# Altium PCB PCB1.PcbDoc (part 3 of 3)
Units mil, origin at the board's own origin, x right, y up, seen from the top; angles counter-clockwise.
Board outline 1847 x 2681.4 mil, 2 copper layers (Top Layer, Bottom Layer); 166 components, 117 nets, 677 pads, 840 vias.
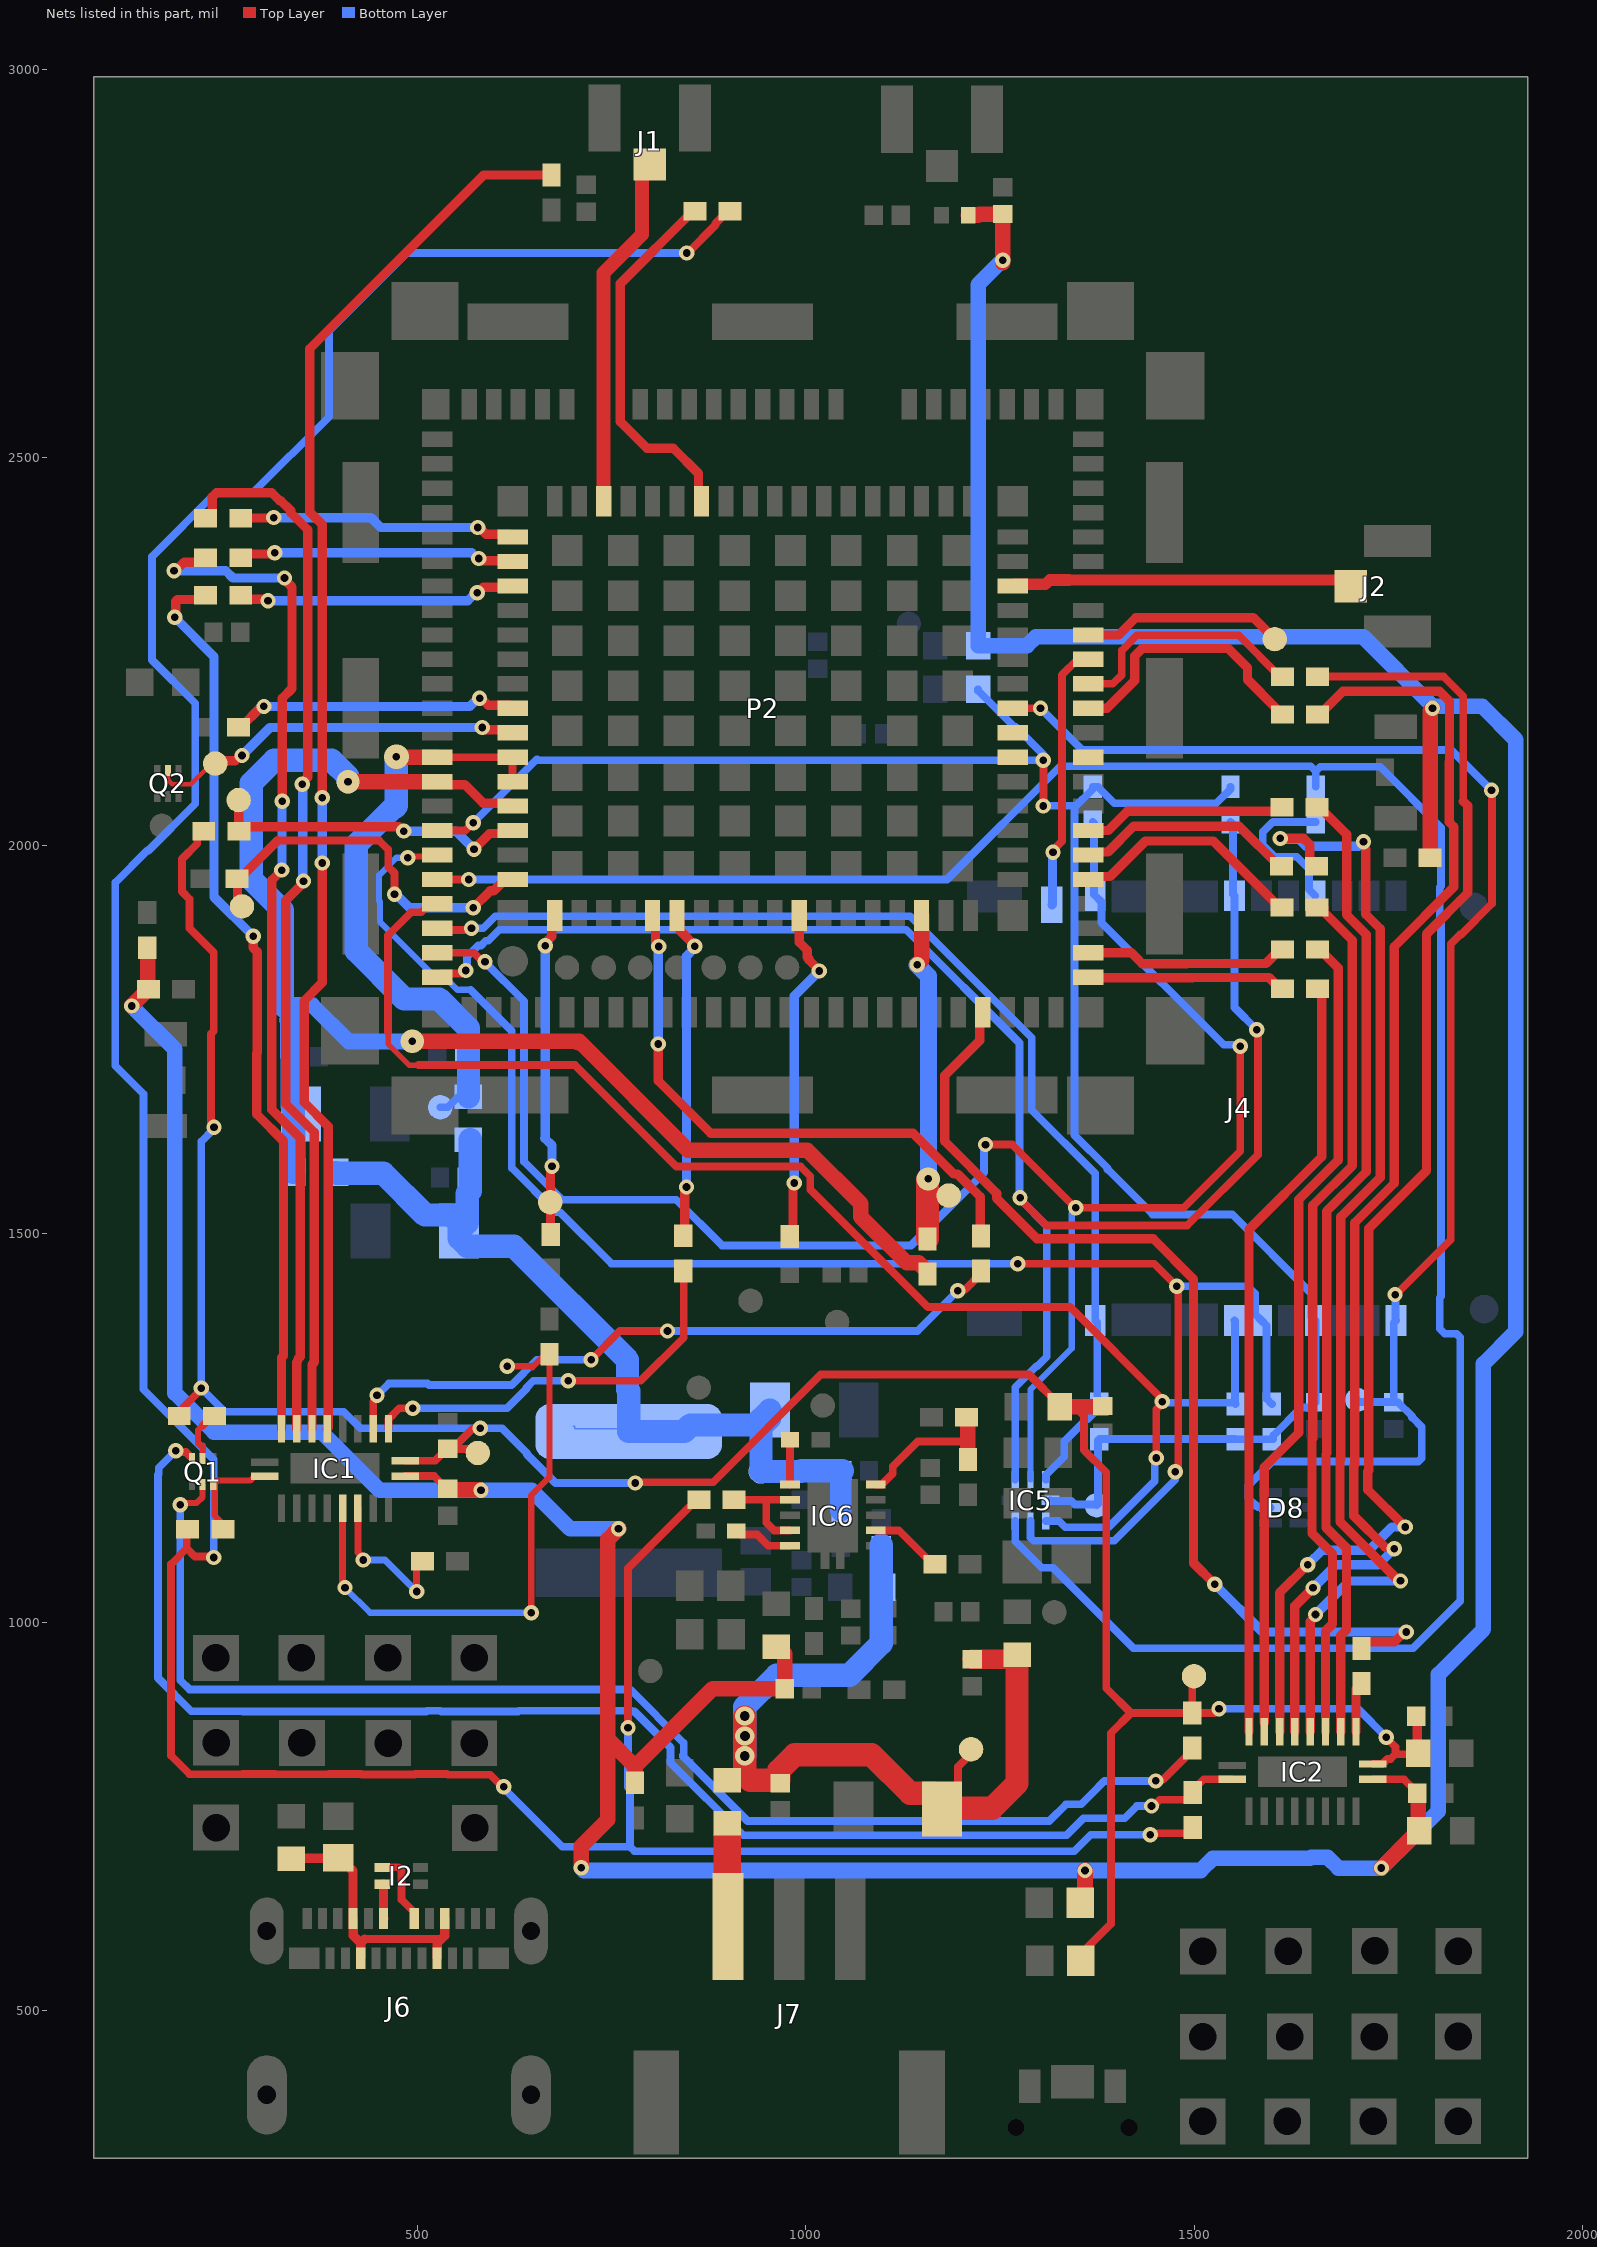
[diagram p3: the nets of this part, all layers, seen from the top]

## Via types
v1: diameter 19.68, hole 11.81, Top Layer to Bottom Layer, tented both sides, 638 vias
v2: diameter 19.68, hole 9.84, Top Layer to Bottom Layer, 195 vias
v3: diameter 30, hole 9.84, Top Layer to Bottom Layer, 3 vias
v4: diameter 25, hole 12.5, Top Layer to Bottom Layer, 3 vias
v5: diameter 32, hole 9.84, Top Layer to Bottom Layer, 1 vias

## Nets (pads, with @x,y where several pads share a name; then routed paths per layer and width w, separated by ;. In a path a pad name is that pad's centre, name@x,y a point inside that pad or via, vN(x,y) a via of type N, cw(c..) or ccw(c..) an arc to the next point about the centre after c; other vN are vias at no path point) (continued)
NetIC1_2: IC1.2 R1.1 | length 523.4
  Top Layer w10: IC1.2@462.23,1249.03 462.23,1261.48 476.1,1275.35 493.75,1275.35 493.69,1275.4 v2(493.6,1275.4) ; v2(693.8,1310.8) 786.88,1310.8 842.44,1366.37 842.44,1451.88 R1.1@842,1452.32
  Bottom Layer w10: v2(493.6,1275.4) 614.89,1275.4 640.02,1300.53 640.02,1301.94 648.87,1310.8 v2(693.8,1310.8)
NetIC1_3: IC1.3 R8.1 | length 892.6
  Top Layer w10: IC1.3@442.54,1249.03 442.54,1284.52 447.4,1289.38 v2(447.4,1292) ; v2(723.2,1337.8) 760.4,1375 v2(821.6,1375) ; v2(1195.4,1426.6) 1197.25,1428.45 1204.97,1428.45 1225.51,1449 R8.1@1225.51,1451.95
  Bottom Layer w10: v2(447.4,1292) 462.56,1307.16 512.57,1307.16 514.37,1305.36 620.8,1305.36 653.25,1337.8 v2(723.2,1337.8) ; v2(821.6,1375) 1143.8,1375 v2(1195.4,1426.6)
NetIC1_6: IC1.6 R19.1 | length 1824.8
  Top Layer w12: v2(377.04,1977.8) 377.04,1823.71 353.6,1800.27 353.6,1669.44 384.64,1638.4 384.64,1250.19 IC1.6@383.49,1249.03 ; v2(377.04,2061.6) 377.04,2413.67 361,2429.72 361,2640.09 584.86,2863.95 R19.1@672.31,2863.95
  Bottom Layer w12: v2(377.04,1977.8) v2(377.04,2061.6)
NetIC1_7: IC1.7 R22.1 | length 1367.1
  Top Layer w12: R22.1@226.67,2421.75 229.63,2421.75 235.44,2427.56 235.44,2449.44 240.75,2454.75 311.92,2454.75 322.23,2444.44 323.65,2444.44 336.44,2431.65 336.44,2428.82 358.29,2406.98 358.29,2088.36 351.2,2081.28 v2(351.2,2079.2) ; v2(352.8,1954.4) 352.8,1952.32 329.8,1929.32 329.8,1667.79 366.64,1630.94 366.64,1334.47 363.8,1331.62 IC1.7@363.8,1249.03
  Bottom Layer w12: v2(351.2,2079.2) 352,2078.4 352,1955.2 v2(352.8,1954.4)
NetIC1_8: IC1.8 R24.1 | length 1321.7
  Top Layer w12: v2(186,2354.2) 188.08,2354.2 199.02,2365.14 220.86,2365.14 R24.1@226.67,2370.95 ; v2(324.8,1968.6) 311.8,1955.6 311.8,1660.33 348.64,1623.49 348.64,1341.93 345.8,1339.08 345.8,1337.67 345.12,1336.99 345.12,1335.57 344.12,1334.57 IC1.8@344.12,1249.03 ; v2(325.36,2057.24) 325.36,2189.86 338.04,2202.54 338.04,2333.08 328.4,2342.72 v2(328.4,2344.8)
  Bottom Layer w12: v2(186,2354.2) 252.5,2354.2 261.9,2344.8 v2(328.4,2344.8) ; v2(324.8,1968.6) 325.08,1968.88 325.08,2056.96 v2(325.36,2057.24)
NetIC1_9: IC1.9 R26.1 | length 1167.8
  Top Layer w12: v2(186.8,2294.2) 188.27,2295.67 188.27,2314.86 190.57,2317.16 221.28,2317.16 R26.1@226.67,2322.55 ; v2(288.2,1883.2) 288.2,1868.37 293.24,1863.33 293.24,1733.33 292.64,1732.73 292.64,1654.03 327.12,1619.56 327.12,1343.03 324.43,1340.34 IC1.9@324.43,1249.03
  Bottom Layer w12: v2(186.8,2294.2) 237.5,2243.5 237.5,1933.9 v2(288.2,1883.2)
NetIC1_11: IC1.11 Q1.6 R3.1 | length 121.9
  Top Layer w8: Q1.6@236.74,1177.14 241.81,1182.21 283.98,1182.21 289.06,1187.29 302.05,1187.29 IC1.11@302.78,1188.01 ; Q1.6@238.6,1175.27 238.6,1136.83 R3.1@247.75,1127.68
NetIC1_16: IC1.16 R12.2 | length 761.6
  Top Layer w8: v2(615.2,1329.6) 645.91,1329.6 647.51,1328 664.43,1344.92 R12.2@669.6,1344.92 669.6,1186.51 646.2,1163.11 v2(646.2,1012)
  Top Layer w9: IC1.16@403.17,1146.68 403.17,1050.32 406.2,1047.29 v2(406.2,1044.4)
  Bottom Layer w8: v2(406.2,1044.4) 438.6,1012 v2(646.2,1012)
NetIC1_17: IC1.17 R17.2 | length 197
  Top Layer w9: IC1.17@422.86,1146.68 422.86,1089.83 429.8,1082.89 v2(429.8,1080) ; v2(498.6,1039.4) 498.6,1070.89 505.91,1078.2 R17.2@505.96,1078.2
  Bottom Layer w9: v2(429.8,1080) 458,1080 v2(498.6,1039.4)
NetIC2_2: IC2.2 R2.1 | length 66.1
  Top Layer w10: R2.1@1707.8,913.72 R2.1@1708.5,913.02
  Top Layer w12: IC2.2@1708.5,858.58 1708.5,910.71 1715.6,917.81 R2.1@1715.6,920.76
NetIC2_3: IC2.3 R9.1 | length 1243.8
  Top Layer w12: R9.1@1666.8,2044.19 1696.36,2014.63 1696.36,1910.93 1721.64,1885.64 1721.64,1580.13 1670.85,1529.34 1670.85,1217.41 1669.76,1216.32 1669.76,1121.78 1696.16,1095.38 1696.16,990.15 1688.81,982.79 IC2.3@1688.81,858.58
NetIC2_4: IC2.4 R10.1 | length 1113.2
  Top Layer w12: R10.1@1666.84,1920.4 1666.84,1914.99 1703.64,1878.19 1703.64,1587.59 1652.85,1536.79 1652.85,1236.48 1651.76,1235.39 1651.76,1114.33 1678.16,1087.92 1678.16,997.6 1669.13,988.57 IC2.4@1669.13,858.58
NetIC2_5: IC2.5 R13.1 | length 1477.2
  Top Layer w12: v2(1611,2009.4) 1640.98,2009.4 1648.91,2001.47 1648.91,1979.21 1654.72,1973.4 R13.1@1657.68,1973.4 ; IC2.5@1649.44,858.58 1649.44,1000.76 1656.32,1007.64 v2(1656.32,1009.72) ; 1721.02,1995 1721.02,1911.72 1739.64,1893.1 1739.64,1572.67 1688.85,1521.88 1688.85,1209.96 1687.76,1208.87 1687.76,1129.24 1764,1053 v2(1765.8,1053)
  Bottom Layer w12: v2(1611,2009.4) 1611,2009.22 1609.71,2007.93 1635.22,2007.93 1643.95,1999.2 1712.2,1999.2 v2(1718.2,2005.2) ; v2(1656.32,1009.72) 1699.6,1053 v2(1765.8,1053)
NetIC2_6: IC2.6 R20.1 | length 1671.1
  Top Layer w12: IC2.6@1629.76,858.58 1629.76,1020.76 v2(1653,1044) ; R20.1@1658.88,2169 1661.83,2169 1691.83,2199 1816.11,2199 1829,2186.11 1829,2108.49 1828.64,2108.13 1828.64,2030.45 1834.52,2024.57 1834.52,1946.89 1757.64,1870.01 1757.64,1565.22 1706.85,1514.43 1706.85,1202.5 1705.76,1201.41 1705.76,1136.7 1746.15,1096.3
  Bottom Layer w12: v2(1653,1044) 1682.8,1073.8 1737.2,1073.8 v2(1757.8,1094.4)
NetIC2_7: IC2.7 R23.1 | length 1719.3
  Top Layer w10: R23.1@1660.68,2216 1662.48,2217.8 1821.35,2217.8 1846.64,2192.51 1846.64,2057.27
  Top Layer w12: IC2.7@1610.07,858.58 1610.07,1037.67 v2(1646.2,1073.8) ; R23.1@1658.88,2217.8 R23.1@1660.68,2216 ; v2(1771.8,1122.4) 1723.76,1170.44 1723.76,1193.96 1724.85,1195.05 1724.85,1506.97 1799.36,1581.48 1799.36,1886.27 1852.52,1939.44 1852.52,2051.39 1846.64,2057.27
  Bottom Layer w12: v2@1647.72,1075.32 1665,1092.6 1725.11,1092.6 1754.91,1122.4 v2(1771.8,1122.4)
NetIC2_8: IC2.8 R25.1 | length 1043.1
  Top Layer w12: IC2.8@1590.39,870.3 1590.39,1199.48 1634.85,1243.94 1634.85,1544.25 1685.64,1595.04 1685.64,1842.54 1667.24,1860.94 R25.1@1667.24,1866.35
NetIC2_9: IC2.9 R27.1 | length 998.5
  Top Layer w12: IC2.9@1570.7,858.58 1570.7,1505.56 1664.44,1599.3 1664.44,1810.38 R27.1@1658.88,1815.95
NetIC2_11: IC2.11 Q1.3 R4.1 | length 1838.7
  Top Layer w10: v2(188.4,1220.8) 190.25,1218.95 201.5,1218.95 Q1.3@207.96,1212.49 ; v2(1445.07,763) 1447.69,763 1455.78,771.09 1491.59,771.09 1498.4,777.9 R4.1@1498.4,780.64 1498.4,783.59 1512.37,797.56 IC2.11@1549.05,797.56
  Bottom Layer w10: v2(188.4,1220.8) 166.36,1198.76 166.36,1190.63 165.36,1189.63 165.36,928.04 208.27,885.13 274.28,885.13 274.54,884.88 316.66,884.88 316.72,884.93 384.88,884.93 384.94,884.88 510.82,884.88 511.82,885.88 529.09,885.88 530.09,884.88 628.93,884.88 629.93,885.88 775.37,885.88 776.6,884.64 777.08,884.64 ; 777.79,884.88 779.2,884.88 825.56,838.52 825.56,818.95 919.11,725.4 1335.61,725.4 1357.41,747.2 1410.4,747.2 1426.2,763 v2(1445.07,763)
NetIC5_1: IC5.1 J4.T7 P2.166 R39.1 | length 2243.2
  Top Layer w10: P2.166@524.88,1830.56 529.72,1835.4 555.18,1835.4 558.98,1839.2 v2(561.6,1839.2) ; v2(1275.8,1546.4) 1275.8,1544.6 1309.46,1510.94 1491.22,1510.94 1582.26,1601.98 1582.26,1761.34 v2(1580.8,1762.8)
  Bottom Layer w10: v2(561.6,1839.2) 563.45,1841.05 563.45,1856.93 577.96,1871.44 581.58,1871.44 587.73,1877.59 588.13,1877.59 590.83,1877.6 605.07,1891.84 1129.07,1891.84 1274.96,1745.96 1274.96,1547.24 v2(1275.8,1546.4) 1275.8,1544.6 1310.24,1510.16 1310.24,1341.77 1298.03,1329.56 1296.62,1329.56 1269.65,1302.59 IC5.1@1269.65,1183.45 ; R39.1@1546.74,2030.61 1550.05,2027.3 1550.05,1937.66 J4.T7@1552.05,1935.66 1552.05,1791.55 v2(1580.8,1762.8)
NetIC5_2: IC5.2 J4.T8 P2.165 R40.1 | length 2343.9
  Top Layer w10: P2.165@524.88,1862.06 571.92,1862.06 v2@587.28,1846.69 ; v2@589.79,1849.2 v2@587.28,1846.7 ; v2(1231.2,1615) 1265.73,1615 1346.93,1533.8 v2(1347.6,1533.8) 1486.6,1533.8 1559.4,1606.6 v2(1559.4,1741.8) ; v2@586.59,1847.39 v2(586.59,1850.6) v2@586.59,1847.39 ; v2@586.59,1847.39 v2@587.28,1846.69 ; v2@586.59,1847.39 v2@587.28,1846.7
  Bottom Layer w8: IC5.2@1289.34,1183.45 1289.34,1299.65 1342.2,1352.51 v2@1342.2,1526.4
  Bottom Layer w10: v2(586.59,1850.6) 586.59,1850.01 636.93,1799.67 636.93,1593.02 684.6,1545.35 684.6,1543.94 833,1543.94 891.98,1484.96 1135.36,1484.96 1229.35,1578.95 1229.35,1613.15 v2(1231.2,1615) ; R40.1@1369.34,2030.61 1370.93,2029.02 1370.93,1937.25 J4.T8@1372.52,1935.66 1380.74,1927.44 1380.74,1900.97 1538.06,1743.65 1557.55,1743.65 v2(1559.4,1741.8)
NetIC5_3: IC5.3 J4.T1 P2.164 R37.1 | length 1477.4
  Top Layer w10: P2.164@524.88,1893.55 527.06,1891.37 571.03,1891.37 569.2,1893.2 v2(569.2,1893.6)
  Bottom Layer w10: v2(569.2,1893.6) 584.2,1893.6 599.69,1909.09 1134.45,1909.09 1290.96,1752.58 1290.96,1659.43 1372.52,1577.87 J4.T1@1372.52,1388.42 1375.13,1385.81 1375.13,1283.33 R37.1@1377.74,1280.72 1370.93,1273.91 1370.93,1269.39 1362.75,1261.21 1361.37,1261.21 1332.8,1232.64 1332.8,1212.97 1309.03,1189.2 IC5.3@1309.03,1183.45
NetIC5_5: IC5.5 J4.T2 P2.163 R38.1 | length 1893.5
  Top Layer w7: 461.8,1760 461.8,1744.55 488.98,1717.37 501.07,1717.37
  Top Layer w10: 461.8,1760 461.8,1884.8 491.4,1914.4 504.38,1914.4 515.03,1925.05 P2.163@524.88,1925.05 ; 501.07,1717.37 702.43,1717.37 833.16,1586.64 993.24,1586.64 1005.64,1574.23 1005.64,1557.15 1157.04,1405.76 1340.19,1405.76 1458.8,1287.14 v2(1458.8,1284) ; v2(1451.2,1211.4) 1451.2,1273.78 1457.82,1280.4 v2@1458.21,1280.4
  Bottom Layer w10: IC5.5@1309.03,1130.32 1325.62,1130.32 1333.94,1122 1389.6,1122 1449.35,1181.75 1449.35,1209.55 v2(1451.2,1211.4) ; v2(1458.8,1284) 1459.8,1284 1461.44,1282.36 1551.7,1282.36 R38.1@1552.05,1282.01 ; J4.T2@1552.05,1388.42 1552.69,1387.77 1552.69,1282.66 R38.1@1552.05,1282.01 ; R38.1@1553.34,1280.72 R38.1@1552.05,1282.01
NetIC5_6: IC5.6 J4.T3 P2.161 R36.1 | length 2220.5
  Top Layer w8: v2(487,1984.4) 488.82,1986.22 523.06,1986.22 P2.161@524.88,1988.04
  Top Layer w10: v2(1272.8,1461.4) 1448.6,1461.4 v2(1477.4,1432.6) 1477.4,1429.98 1479.64,1427.74 1479.64,1197.64 v2(1475.8,1193.8)
  Bottom Layer w8: v2(487,1984.4) 472.4,1984.4 450.16,1962.16 450.16,1929.18 451.16,1928.18 451.16,1902.24 525.8,1827.6 537.76,1827.6 551,1814.36 567.96,1814.36
  Bottom Layer w10: 567.96,1814.36 620.93,1761.39 620.93,1584.98 677.98,1527.94 683.14,1527.94 749.68,1461.4 v2(1272.8,1461.4) ; IC5.6@1289.34,1130.32 1289.34,1108.66 1293.39,1104.61 1397.21,1104.61 1475.8,1183.2 v2(1475.8,1193.8) ; v2(1477.4,1432.6) 1568.97,1432.6 1578.47,1423.1 1578.47,1396.64 J4.T3@1586.69,1388.42 1593.34,1381.77 1593.34,1287.52 R36.1@1600.14,1280.72
NetIC5_7: IC5.7 P2.162 R41.2 | length 3110.6
  Top Layer w10: P2.162@524.88,1956.54 v2(565.74,1956.54)
  Bottom Layer w10: v2(565.74,1956.54) 1181.62,1956.54 1327.48,2102.4 1650.27,2102.4 1656.74,2095.94 ; IC5.7@1269.65,1130.32 1269.65,1104.17 1303.8,1070.02 1318.22,1070.02 1421.88,966.36 1781.83,966.36 1842.64,1027.17 1842.64,1366.56 1837.89,1371.31 1822.69,1371.31 1816.25,1377.76 1816.25,1417.83 1818,1419.58 1818,1904.49 1816.25,1906.25 1816.25,1946.32 1818,1948.07 1818,2023.23 1739.63,2101.6 1662.4,2101.6 1656.74,2095.94 ; R41.2@1656.74,2075.88 1656.74,2095.94
NetIC6_2: IC6.2 R44.2 | length 94.4
  Top Layer w10: IC6.2@1089.84,1118.11 1119.49,1118.11 1163.21,1074.4 R44.2@1166.16,1074.4
NetIC6_5: IC6.5 R42.2 R43.2 | length 202.2
  Top Layer w10: IC6.5@1089.84,1177.17 IC6.5@1097.55,1177.17 ; IC6.5@1097.63,1177.25 1111.76,1191.37 1111.76,1200.43 1143.92,1232.6 1208.6,1232.6
  Top Layer w20: R43.2@1206.84,1263.8 1208.6,1262.04 1208.6,1232.6 R42.2@1208.6,1209.24
NetIC6_6: IC6.6 L6.2 | length 57.8
  Top Layer w10: L6.2@979.45,1234.88 979.53,1234.81 979.53,1177.24 IC6.6@979.6,1177.17
NetIC6_7: IC6.7 IC6.9 R45.1 | length 136.6
  Top Layer w10: R45.1@907.27,1157.43 948.8,1157.43 ; IC6.9@979.6,1118.11 958.89,1118.11 948.8,1128.2 948.8,1157.43 ; IC6.7@979.6,1157.43 948.8,1157.43
NetIC6_10: IC6.10 L3.1 | length 77.1
  Top Layer w10: L3.1@910.28,1117.2 914.7,1112.79 937.1,1112.79 951.45,1098.43 IC6.10@979.6,1098.43
NetJ1_3: J1.3 P2.49 | length 465.6
  Top Layer w18: P2.49@739.44,2443.95 739.44,2737.84 788.8,2787.2 788.8,2874.96 J1.3@798.8,2884.96
NetJ2_3: J2.3 P2.31 | length 442.1
  Top Layer w14: 1338.51,2342.22 J2.3@1693.74,2342.22
  Top Layer w15: P2.31@1266.22,2334.5 1268.56,2336.84 1308.4,2336.84 1313.78,2342.22 1338.51,2342.22 ; J2.3@1693.74,2342.22 J2.3@1701.76,2334.2
NetJ4_S/W: J4.S/W P2.109 | length 343.4
  Top Layer w10: v2(1318.2,1991.4) 1318.2,1994.02 1329.84,2005.66 1329.84,2219.98 1349.87,2240.01 P2.109@1363.46,2240.01
  Bottom Layer w12: J4.S/W@1316.81,1923.85 1317.51,1924.54 1317.51,1990.71 v2(1318.2,1991.4)
NetJ4_T5: J4.T5 R41.1 | length 200.4
  Bottom Layer w10: J4.T5@1655.99,1935.66 1647.76,1943.88 1647.76,1970.34 1632.26,1985.85 1603.73,1985.85 1588.4,2001.18 1588.4,2017.62 1601.39,2030.61 R41.1@1656.74,2030.61
NetJ7_1: J7.1 L10.1 | length 124.1
  Top Layer w30: L10.1@898.97,739.01 L10.1@901,741.04
  Top Layer w35: 898.6,723.6 898.6,602.9 J7.1@898.97,602.53
NetP2_1: P2.1 R15.1 TP13.1 | length 421.9
  Top Layer w12: v2(664.01,1871) 664.01,1873.67 663.6,1874.08 672.61,1883.09 672.61,1906.25 P2.1@676.45,1910.09 ; R15.1@671.31,1498.99 670.91,1499.39 670.91,1540.35 TP13.1@670.51,1540.75 670.86,1541.09 670.86,1585.06 v2(672.8,1587)
  Bottom Layer w12: v2(664.01,1871) 664.01,1623.74 663.6,1623.32 672.8,1614.12 v2(672.8,1587)
NetP2_5: P2.5 R8.2 | length 744.1
  Top Layer w12: P2.5@802.44,1910.09 806.28,1906.25 806.28,1874.4 810.2,1870.48 v2(810.2,1870.2) ; v2(809.6,1744.6) 809.6,1697.4 877.36,1629.64 1137.96,1629.64 1190.45,1577.15 1195.29,1577.15 1224.51,1547.93 1224.51,1498.23 R8.2@1225.51,1497.23
  Bottom Layer w12: v2@810.2,1744.6 809.9,1744.9 809.9,1869.9 v2(810.2,1870.2)
NetP2_6: P2.6 R1.2 | length 428.8
  Top Layer w12: P2.6@833.93,1910.09 837.67,1906.35 837.67,1890.75 856.86,1871.55 v2(856.86,1870.56) ; R1.2@842,1497.6 843.93,1499.53 843.93,1558.13 v2(846.2,1560.4)
  Bottom Layer w12: v2(846.2,1560.4) 846.2,1856.22 845.4,1857.02 856.86,1868.48 v2(856.86,1870.56)
NetP2_11: P2.11 R21.2 | length 439.8
  Top Layer w12: R21.2@979.11,1496.63 983.33,1500.84 983.33,1564.13 v2(984.8,1565.6) ; P2.11@991.41,1910.09 991.41,1875.59 1001.8,1865.2 1001.8,1856.27 1003.41,1854.65 1003.41,1853.24 1017,1839.65 v2(1017,1838.6)
  Bottom Layer w12: v2(984.8,1565.6) 984.8,1806.4 v2(1017,1838.6)
NetP2_16: P2.16 R16.2 TP16.1 | length 467.8
  Top Layer w20: v2(1143.2,1846.6) 1148.89,1852.29 P2.16@1148.89,1910.09 ; v3@1156.6,1569.8 v3(1157.6,1570.8) 1159.51,1568.89 1159.51,1556.09 1166.2,1549.4 TP16.1@1183.8,1549.4
  Top Layer w30: R16.2@1156.6,1493.6 v3@1156.6,1569.8
  Bottom Layer w22: v2(1143.2,1846.6) 1157.6,1832.2 v3(1157.6,1570.8)
NetP2_24: P2.24
NetP2_25: P2.25
NetP2_45: P2.45 R11.2 | length 468
  Top Layer w12: R11.2@856.96,2817.2 854.01,2817.2 760.97,2724.16 760.97,2546.23 795.19,2512.01 829.09,2512.01 861.59,2479.51 861.59,2457.63 P2.45@865.43,2453.79
NetP2_52: P2.52 R22.2 | length 360.9
  Top Layer w12: R22.2@271.95,2421.75 272.37,2422.17 314.17,2422.17 v2(314.6,2422.6) ; v2(577.4,2409.8) 579.48,2409.8 587.95,2401.33 618.28,2401.33 P2.52@622.12,2397.49
  Bottom Layer w12: v2(314.6,2422.6) 439.6,2422.6 452.4,2409.8 v2(577.4,2409.8)
NetP2_53: P2.53 R24.2 | length 357.9
  Top Layer w12: R24.2@271.95,2370.95 276.73,2375.73 314.13,2375.73 v2(315.6,2377.2) ; v2(578.6,2370) 578.6,2369.13 580.68,2367.06 621.06,2367.06 P2.53@622.12,2365.99
  Bottom Layer w12: v2(315.6,2377.2) 569.32,2377.2 576.52,2370 v2(578.6,2370)
NetP2_54: P2.54 R26.2 | length 360.9
  Top Layer w12: R26.2@271.95,2322.55 277.21,2317.29 305.31,2317.29 v2(307,2315.6) ; v2(576.6,2325.8) 577.38,2325.8 584.44,2332.86 620.48,2332.86 P2.54@622.12,2334.5
  Bottom Layer w12: v2(307,2315.6) 564.32,2315.6 574.52,2325.8 v2(576.6,2325.8)
NetP2_59: P2.59 R7.1 | length 374
  Top Layer w12: R7.1@269,2152.6 271.95,2152.6 297.28,2177.93 300.33,2177.93 v2(301.8,2179.4) ; v2(579.6,2190) 581.68,2190 590.82,2180.86 618.28,2180.86 P2.59@622.12,2177.02
  Bottom Layer w12: v2(301.8,2179.4) 566.92,2179.4 577.52,2190 v2(579.6,2190)
NetP2_60: P2.60 Q2.5 TP23.1 | length 491.9
  Top Layer w6: Q2.5@178.2,2096.86 178.2,2093.91 178.2,2084.8 183.71,2079.29 207.79,2079.29 TP23.1@234.3,2105.8
  Top Layer w7: Q2.5@178.2,2093.91 Q2.5@178.64,2093.47 ; TP23.1@234.3,2105.8 TP23.1@239.2,2105.8
  Top Layer w12: TP23.1@239.2,2105.8 242.93,2109.53 264.85,2109.53 271.52,2116.2 v2(273.6,2116.2) ; v2(583.2,2152.2) 586.08,2149.36 618.28,2149.36 P2.60@622.12,2145.52
  Bottom Layer w12: v2(273.6,2116.2) 309.6,2152.2 v2(583.2,2152.2)
NetP2_64: P2.64 R34.2 TP11.1 | length 417.3
  Top Layer w12: TP11.1@269.2,2058.8 269.37,2058.63 269.37,2018.92 R34.2@269.55,2018.75 275.4,2024.6 476.2,2024.6 v2(482,2018.8) ; v2(572.4,1995.4) 592.69,2015.69 618.28,2015.69 P2.64@622.12,2019.54
  Bottom Layer w12: v2(482,2018.8) 549,2018.8 v2(572.4,1995.4)
NetP2_66: P2.66 R14.1 TP12.1 | length 493.3
  Top Layer w10: 319.51,2006.6 450.45,2006.6 462.07,1994.98 462.07,1972.71 470,1964.78 v2(470,1937.4)
  Top Layer w12: TP12.1@273.6,1921.8 267.87,1927.53 267.87,1956.79 R14.1@267.31,1957.35 270.26,1957.35 319.51,2006.6 ; v2(571.6,1920.2) 593.17,1941.77 597.51,1941.77 612.28,1956.54 P2.66@622.12,1956.54
  Bottom Layer w12: v2(470,1937.4) 472.08,1937.4 489.28,1920.2 v2(571.6,1920.2)
NetP2_92: P2.92 R2.2 | length 1328.7
  Top Layer w12: P2.92@1227.63,1785.28 1223.79,1781.44 1223.79,1749.2 1178.6,1704.01 1178.6,1619.3 1245.54,1552.36 1245.54,1545.77 1297.6,1493.71 1447.18,1493.71 1499.24,1441.65 1499.24,1075.96 v2(1526.4,1048.8) ; R2.2@1715.6,966.04 1715.6,968.73 1721.41,974.54 1758.46,974.54 1771.12,987.2 v2(1773.2,987.2)
  Bottom Layer w12: v2(1526.4,1048.8) 1588,987.2 v2(1773.2,987.2)
NetP2_96: P2.96 R27.2 | length 256.3
  Top Layer w12: P2.96@1363.46,1830.56 1363.93,1830.09 1497.93,1830.09 1498.02,1830.17 1596.42,1830.17 1610.65,1815.95 R27.2@1613.6,1815.95
NetP2_97: P2.97 R25.2 | length 263.5
  Top Layer w12: P2.97@1363.46,1862.06 1419.32,1862.06 1426.26,1855.12 1433.29,1848.09 1490.48,1848.09 1490.56,1848.17 1592.47,1848.17 1610.65,1866.35 R25.2@1613.6,1866.35
NetP2_100: P2.100 R10.2 | length 305.7
  Top Layer w12: P2.100@1363.46,1956.54 1367.3,1960.39 1391.67,1960.39 1437.28,2006 1524.65,2006 1610.25,1920.4 R10.2@1613.2,1920.4
NetP2_101: P2.101 R13.2 | length 285.6
  Top Layer w12: P2.101@1363.46,1988.04 1367.3,1991.88 1388.88,1991.88 1422,2025 1557.85,2025 1609.45,1973.4 R13.2@1612.4,1973.4
NetP2_102: P2.102 R9.2 | length 262.2
  Top Layer w12: P2.102@1363.46,2019.54 1389.34,2019.54 1414.01,2044.21 1607.77,2044.21 R9.2@1613.16,2049.6
NetP2_105: P2.105
NetP2_107: P2.107 R20.2 | length 346.4
  Top Layer w12: P2.107@1363.46,2177.02 1387.82,2177.02 1423.6,2212.8 1423.6,2244.29 1433.29,2253.98 1544.02,2253.98 1568.74,2229.26 1568.74,2213.94 1604.84,2177.84 1604.84,2174.81 1610.65,2169 R20.2@1613.6,2169
NetP2_108: P2.108 R23.2 | length 316.5
  Top Layer w10: P2.108@1363.46,2208.51 1395.27,2208.51 1406.6,2219.84 1406.6,2251.33 1426.25,2270.98 1557.47,2270.98 R23.2@1610.65,2217.8
  Top Layer w12: R23.2@1610.65,2217.8 R23.2@1613.6,2217.8
NetQ1_2: Q1.2 R5.2 | length 66.7
  Top Layer w8: Q1.2@222.86,1213.49 222.96,1213.58 222.96,1227.49 219.8,1227.49 217,1230.29 217,1247.32 222.96,1253.27
  Top Layer w10: 222.96,1253.27 235.09,1265.4 R5.2@238.04,1265.4
NetQ1_5: Q1.5 R6.2 | length 1705.5
  Top Layer w8: v2(194,1151.2) 196.24,1153.44 215.06,1153.44 222.74,1161.11 222.74,1177.07 Q1.5@222.8,1177.14
  Top Layer w10: v2(1450.6,795.4) 1452.45,797.25 1460.01,797.25 1497.4,834.65 R6.2@1497.4,837.6
  Bottom Layer w10: v2(194,1151.2) 194,925.19 205.92,913.27 274.08,913.27 773.43,913.27 842.56,844.15 842.56,829.48 841.56,828.48 841.56,827 924.75,743.8 1313.4,743.8 1335.05,765.45 1354.44,765.45 1367.99,779 1368.07,779 1384.47,795.4 v2(1450.6,795.4)
UIM1_VCC: C30.1 D8.5 J4.S1 P2.26 TP25.1 | length 1929.9
  Top Layer w10: P2.26@1266.22,2177.02 v2(1302,2177.02) ; v2(1758.8,1421.8) 1759.8,1421.8 1830.36,1492.36 1830.36,1873.43 1842.57,1885.64 1843.98,1885.64 1883.52,1925.18 1883.52,2071.08 v2(1883,2071.6)
  Bottom Layer w10: v2(1302,2177.02) 1355.71,2123.31 1831.29,2123.31 v2(1883,2071.6) ; D8.5@1598.31,1147.4 1597.4,1148.3 1582.28,1148.3 1580.4,1150.18 1578.99,1150.18 1569.6,1159.57 1569.6,1175.86 1600.6,1206.86 1788.51,1206.86 1793.04,1211.4 1793.04,1251.24 1780.74,1263.59 1780.74,1265 1762.46,1283.28 C30.1@1757.14,1283.28 ; TP25.1@1710.2,1286.2 1712.83,1283.57 1756.85,1283.57 C30.1@1757.14,1283.28 ; v2(1758.8,1421.8) 1759.4,1421.2 1759.4,1388.94 J4.S1@1759.92,1388.42 1757.2,1385.69 1757.2,1283.34 C30.1@1757.14,1283.28
USB_CN_D+: I2.2 J6.A6 | length 45.8
  Top Layer w12: I2.2@454.4,662.4 455.85,662.4 455.94,662.31 455.94,618.26 J6.A6@456.04,618.17
USB_CN_D-: I2.1 J6.A7 | length 94.8
  Top Layer w10: I2.1@454.4,684.05 474.75,684.05 479.17,679.63 479.17,642.27 495.41,626.04 J6.A7@495.41,618.17
USB_VBUS: C71.2 J6.A4 J6.A9 J6.B4 J6.B9 L11.1 | length 365.6
  Top Layer w10: 431.78,591.76 530.36,591.76
  Top Layer w12: L11.1@336.74,694.93 337.64,695.83 396.43,695.83 C71.2@397.34,696.74 399.31,696.74 416.67,679.37 J6.A4@416.67,618.17 416.76,618.07 416.76,596.24 426.51,586.49 ; J6.B9@426.51,566.98 426.51,586.49 ; 431.78,591.76 426.51,586.49 ; J6.B4@524.93,566.98 525.03,567.08 525.03,586.43 530.36,591.76 534.68,596.08 534.68,618.07 J6.A9@534.78,618.17
VBATT_BB: C64.2 C65.2 L9.2 P2.63 P2.158 R16.1 TP33.1 | length 1888.5
  Top Layer w12: P2.158@524.88,2082.53 528.72,2078.69 560.63,2078.69 584.44,2054.88 618.28,2054.88 P2.63@622.12,2051.03
  Top Layer w20: v3(410.2,2082.2) 410.37,2082.37 524.72,2082.37 P2.158@524.88,2082.53 ; v3(493,1748) 704.8,1748 706.6,1746.2 708.2,1747.8 848.36,1607.64 1001.94,1607.64 1070.56,1539.02 1070.56,1521.93 1129.89,1462.6 1145.28,1462.6 1156.6,1451.28 R16.1@1156.6,1448.32
  Bottom Layer w20: 326.97,1795.03 363.77,1795.03 411,1747.8 492.8,1747.8 v3(493,1748)
  Bottom Layer w30: 325.4,1795.03 325.4,1916.91 285.6,1956.71 285.6,2080.6 315.04,2110.04 388.81,2110.04 410.2,2088.65 v3(410.2,2082.2) ; 326.97,1795.03 337.53,1784.47 TP33.1@337.53,1775.14 337.82,1775.14 337.82,1728.66 C65.2@338.08,1728.4 338.08,1664.52 339.58,1664.52 339.58,1644.29 340.33,1643.54 340.33,1579.88 L9.2@339.58,1579.13
VBATT_MAIN_Supply: C49.2 C50.2 C55.1 C59.2 C60.2 C61.2 L7.1 L9.1 R49.2 TP32.1 | length 1134.5
  Bottom Layer w28: R49.2@1044.65,1143.75 C60.2@1044.65,1192.77
  Bottom Layer w30: L9.1@394.7,1579.13 394.7,1578.95 395.44,1578.2 455.44,1578.2 509.28,1524.37 542.57,1524.37 553.16,1513.78 C49.2@553.16,1503.94 ; L7.1@567.53,1621.44 567.53,1555.46 563.75,1551.68 563.75,1514.53 C49.2@553.16,1503.94 ; C60.2@1046.62,1194.73 994.65,1194.73 993.86,1193.95 TP32.1@941.89,1193.95 942.18,1194.23 942.18,1251.71 953.7,1263.24 C59.2@953.7,1273.08 953.3,1273.08 934.04,1253.82 851.33,1253.82 843.04,1245.52 C55.1@771.81,1245.52 771.81,1248.95 771.81,1297.75 770.06,1299.5 770.06,1337.66 623.75,1483.97 563.75,1483.97 553.16,1494.56 C49.2@553.16,1503.94
VBATT_RF: C51.2 L7.2 P2.61 P2.62 P2.157 TP31.1 | length 765.2
  Top Layer w10: v5(472.4,2114.6) 472.97,2114.03 v5@473.03,2114.03 ; P2.157@524.88,2114.03 P2.61@622.12,2114.03 P2.62@622.12,2082.53
  Top Layer w20: v5@473.03,2114.03 473.18,2114.18 524.72,2114.18 P2.157@524.88,2114.03
  Bottom Layer w10: TP31.1@529,1663 538.56,1663 551.49,1675.93 552.48,1675.93 557.8,1681.24 L7.2@557.8,1682
  Bottom Layer w30: v5(472.4,2114.6) 472.4,2051.4 470.64,2049.64 469.22,2049.64 420.6,2001.02 420.6,1864.6 482.6,1802.6 527.4,1802.6 565.2,1764.8 L7.2@565.2,1676.56
VCC_1V8: C1.1 C2.1 C12.2 C38.2 IC1.1 IC2.1 L2.2 L13.1 R5.1 R6.1 R34.1 TP6.1 TP7.1 | length 3543
  Top Layer w10: R5.1@192.76,1265.4 192.76,1271.43 221,1299.66 v2(221,1301.4) ; R34.1@224.27,2018.75 222.72,2018.75 215.91,2011.94 215.91,2002.51 196.27,1982.87 196.27,1940.98 206.04,1931.22 206.04,1893.58 237.2,1862.41 237.2,1761.28 233.56,1757.63 233.56,1644.06 237.6,1640.02 v2(237.6,1637.4) ; IC1.1@483.88,1207.7 522.15,1207.7 537.53,1223.07 C1.1@538.32,1223.07 C1.1@545.07,1223.07 ; TP7.1@580.6,1217.8 575.52,1222.88 545.27,1222.88 C1.1@545.07,1223.07 ; v2(580.6,1249.6) 579.62,1248.62 570.14,1248.62 545.07,1223.56 C1.1@545.07,1223.07 ; v2(780.01,1179.21) 781.01,1180.21 880.41,1180.21 1019,1318.8 1287.35,1318.8 1326.7,1279.45 L2.2@1326.7,1277.49 ; 1346.2,1277.49 1358,1265.69 1358,1221.6 1386.75,1192.85 1386.75,914.8 1418.68,882.88 ; C12.2@1354.08,563.83 1354.08,572.48 1392.73,611.13 1392.73,856.93 1418.68,882.88 ; TP6.1@1499.8,930.2 1497.61,928.01 1497.61,883.09 R6.1@1497.4,882.88 ; v2(1532,888.4) 1526.44,882.88 R6.1@1497.4,882.88 ; IC2.1@1730.15,817.24 1742.59,817.24 1749.09,823.74 1753.34,823.74 1759.2,829.6 ; v2(1747.6,851.8) 1747.6,850.77 1759.2,839.17 1759.2,829.6 ; L13.1@1783.2,829.6 1759.2,829.6 ; 1418.68,882.88 R6.1@1497.4,882.88
  Top Layer w12: C2.1@1786,878.6 1787.42,877.18 1787.42,832.22 L13.1@1788.84,830.8
  Top Layer w20: L2.2@1326.7,1277.49 1346.2,1277.49 C38.2@1380.85,1277.49
  Bottom Layer w10: v2@236.8,1637.4 236.8,1634.67 221,1618.87 v2(221,1301.4) 251.4,1271 404.78,1271 426.18,1249.6 v2(580.6,1249.6) 608.46,1249.6 640.73,1217.32 640.73,1215.91 677.43,1179.21 v2(780.01,1179.21) ; v2(1532,888.4) 1711,888.4 v2(1747.6,851.8)
VCC_2V95: C33.2 IC5.4 J4.T4 L15.2 P2.160 R36.2 R37.2 R38.2 R39.2 R40.2 TP26.1 | length 2682.1
  Top Layer w10: P2.160@524.88,2019.54 561,2019.54 571.06,2029.6 v2(571.6,2029.6) ; v2(1305.8,2051.2) v2(1305.8,2110.2)
  Bottom Layer w10: v2(571.6,2029.6) 653.4,2111.4 654.6,2110.2 v2(1305.8,2110.2) 1305.8,2111.4 1305.75,2111.45 1305.75,2117.41 1270.09,2153.06 1268.12,2153.06 1221.72,2199.47 L15.2@1221.72,2201.44 ; v2(1305.8,2051.2) 1306,2051.4 1344.34,2051.4 ; IC5.4@1314.93,1156.89 1315.83,1155.98 1341.74,1155.98 1346.12,1151.6 1373.43,1151.6 TP26.1@1374.54,1150.49 1376.14,1152.09 1376.14,1233.85 1378.21,1235.92 1552.86,1235.92 R38.2@1553.34,1235.45 1601.91,1235.45 1601.91,1240.17 1638.21,1276.47 1649.53,1276.47 C33.2@1656.34,1283.28 1656.16,1283.46 1656.16,1388.24 1651.09,1393.32 1651.09,1423.1 1549.06,1525.13 1446.47,1525.13 1388.52,1583.08 1388.52,1584.49 1345.93,1627.09 1345.93,2049.52 1369.34,2072.93 R40.2@1369.34,2075.88 1376.05,2075.88 1397.24,2054.7 1528.51,2054.7 1546.74,2072.93 R39.2@1546.74,2075.88
VCC_3V3: C3.1 C4.1 C8.1 C11.2 C44.2 IC1.20 IC2.20 L1.1 L4.2 L12.1 L14.2 R18.2 R32.2 R33.2 R50.2 | length 6540.4
  Top Layer w10: IC1.20@483.88,1188.01 521.31,1188.01 537.53,1171.8 C3.1@538.32,1171.8 ; IC2.20@1730.15,797.56 1770.18,797.56 1784.67,783.07 C4.1@1784.67,776.13
  Top Layer w20: v2@131.48,1793.52 R32.2@153.16,1815.2 152.38,1815.98 152.38,1867.78 R33.2@151.6,1868.56 ; C3.1@538.32,1171.8 539.83,1170.28 580.92,1170.28 v2(581.4,1169.8) ; v2(710.4,683.6) 710.4,711 744.96,745.56 744.96,849.04 ; v2(758.6,1120.2) 744.96,1106.56 744.96,849.04 ; R50.2@779.8,790.12 R50.2@779.8,793.08 779.8,814.2 ; L4.2@961.6,968.24 963.57,968.24 972.81,959 C44.2@972.81,914.28 ; C44.2@970.65,914.28 879.88,914.28 779.8,814.2 ; L1.1@1209.12,2812 1221.9,2812 1223.45,2813.55 C8.1@1253.2,2813.6 C8.1@1253.2,2813.6 ; v2@1253.6,2751 v2(1253.6,2754.2) C8.1@1253.6,2813.4 ; C11.2@1353.44,638.31 1359.4,644.28 v2(1359.4,680) ; v2(1741.2,683.2) 1781.48,723.48 1784.29,723.48 1790.04,729.23 L12.1@1790.04,731.2 1788.7,732.54 1788.7,778.26 C4.1@1787.35,779.6 ; R18.2@1803.88,1984.6 1803.88,2173.88 v2(1807,2177) ; 744.96,849.04 779.8,814.2
  Bottom Layer w20: v2(131.4,1793.6) 187.21,1737.79 187.21,1294.87 237.28,1244.8 375.83,1244.8 450.83,1169.8 v2(581.4,1169.8) 646.6,1169.8 696.2,1120.2 v2(758.6,1120.2) ; v2(710.4,683.6) 714,680 v2(1359.4,680) 1508.33,680 1524.17,695.84 1649.7,695.84 1650.7,696.84 1672.1,696.84 1685.75,683.2 v2(1741.2,683.2) 1814.6,756.6 1814.6,932.6 1872.56,990.56 1872.56,1332.42 1914.17,1374.03 1914.17,2136.43 1870.8,2179.8 1807,2179.8 1717.74,2269.06 1296.11,2269.06 1284.89,2257.84 L14.2@1221.72,2257.84 1221.72,2722.71 v2@1253.2,2754.2
VCC_3V7: C40.2 C57.2 C69.2 C70.2 L5.1 L8.1 L10.2 TP5.1 | length 1213.7
  Top Layer w10: C69.2@1175.31,759.08 1176.42,760.19 1195.9,779.68 1195.9,813.68 1212.6,830.38 TP5.1@1212.6,836.2
  Top Layer w25: C40.2@1214.2,952 1265.31,952 1271.24,957.93 L5.1@1271.94,957.93
  Top Layer w30: v4@921.2,877.6 v4(921.2,827.6) 921.2,803.21 928.25,796.16 964.93,796.16 964.93,808.51 985.68,829.26 1084.34,829.26 1134.08,779.52 1164.72,779.52 1175.31,768.93 C69.2@1175.31,759.08 ; C69.2@1176.42,760.19 1239.75,760.19 1271.94,792.38 L5.1@1271.94,957.93
  Bottom Layer w30: v4(921.2,827.6) 921.2,874.4 921.2,890.7 962.12,931.62 1056.09,931.62 1097.01,972.53 C57.2@1097.01,1099.06
  other v4: 921.4,853.2 921,879
VGPIO: R3.2 R4.2 R11.1 R45.2 | length 4613.9
  Top Layer w10: R3.2@202.48,1120.6 202.48,1094.88 ; v2(237.2,1083.2) 235.98,1084.42 212.94,1084.42 202.48,1094.88 ; v2(610.8,788) 608.61,788 593.14,803.47 538.72,803.47 537.72,804.47 496.88,804.47 496.08,803.67 427.92,803.67 427.12,804.47 385.48,804.47 384.88,803.87 316.72,803.87 316.12,804.47 274.68,804.47 274.28,804.07 206.12,804.07 182.27,827.92 182.27,1074.67 202.48,1094.88 ; v2(770.8,863.8) 770.8,1069.19 859.01,1157.4 R45.2@861.96,1157.4 ; v2(846.6,2763.4) 847.51,2763.4 883.53,2799.42 883.53,2801.44 899.28,2817.2 R11.1@902.24,2817.2 ; v2(1443.4,726.2) 1445.25,728.05 1491.59,728.05 1498.4,734.86 R4.2@1498.4,735.36
  Bottom Layer w10: v2(237.2,1083.2) 237.2,1209.4 146.6,1300 146.6,1680.34 110.4,1716.54 110.4,1952.48 151.77,1993.84 153.18,1993.84 213.24,2053.9 213.24,2183.62 157.6,2239.26 157.6,2372.4 239.75,2454.55 287.64,2454.55 385.76,2552.67 385.76,2663.44 485.72,2763.4 v2(846.6,2763.4) ; v2(610.8,788) 610.8,786 686.2,710.6 773.4,710.6 ; v2(770.8,863.8) 770.8,787.19 773.4,784.59 773.4,710.6 ; v2(1443.4,726.2) 1366.8,726.2 1345.34,704.74 779.26,704.74 773.4,710.6
WAKE_ON_WWAN: P2.110 TP1.1 | length 260.8
  Top Layer w12: P2.110@1363.46,2271.51 1402.74,2271.51 1424.84,2293.61 1576.3,2293.61 TP1.1@1603.76,2266.15
pads on no net: D8.2 IC6. J4.S4 J4.S6 J4.S8 J6.A2 J6.A3 J6.A5 J6.A8 J6.A10 J6.A11 J6.B2 J6.B3 J6.B5 J6.B6 J6.B7 J6.B8 J6.B10 J6.B11 J7.2 J7.P1 J7.P2 P2.2 P2.3 P2.4 P2.7 P2.8 P2.9 P2.10 P2.14 P2.15 P2.17 P2.18 P2.19 P2.20 P2.21 P2.22 P2.23 P2.33 P2.34 P2.35 P2.36 P2.40 P2.41 P2.42 P2.43 P2.44 P2.46 P2.47 P2.55 P2.56 P2.57 P2.58 P2.65 P2.71 P2.72 P2.73 P2.74 P2.75 P2.76 P2.77 P2.78 P2.79 P2.80 P2.81 P2.82 P2.83 P2.84 P2.85 P2.86 P2.87 P2.88 P2.89 P2.90 P2.91 P2.93 P2.94 P2.95 P2.98 P2.99 P2.103 P2.104 P2.114 P2.115 P2.116 P2.117 P2.118 P2.119 P2.120 P2.121 P2.122 P2.123 P2.124 P2.129 P2.130 P2.131 P2.132 P2.133 P2.134 P2.135 P2.140 P2.141 P2.142 P2.143 P2.144 P2.145 P2.146 P2.147 P2.148 P2.149 P2.150 P2.152 P2.153 P2.154 P2.155 P2.156 P2.159 P2.236 P2.237 P2.238 P2.239 P2.240 P2.241 P2.242

## Polygon pours and split planes (outlines as drawn)
GND on Top Layer "GND-Top" (solid, remove dead copper, pour order 10): 82.4,2997.7 1934.02,2997.5 1929.4,2989.8 1929.4,309.6 83,309.6
NetP2_16 on Top Layer "Top Layer-VBATBB_2" (solid, pour order 8): 1163.4,1929.8 cw(c1162.43,1928.83) 1163.8,1928.83 1163.8,1845.62 cw(c1148.78,1845.62) 1159.4,1835 cw(c1148.29,1846.11) 1148.29,1830.4 1146.2,1830.4 cw(c1146.2,1847.78) 1133.91,1835.49 1130.8,1838.6 cw(c1133.7,1841.5) 1129.6,1841.5 1129.6,1858.6 cw(c1133.95,1858.6) 1130.87,1861.67 1133.4,1864.2 ccw(c1125.19,1872.41) 1136.8,1872.41 1136.8,1929.8
no net on Top Layer "Top Layer-No Net 1" (solid, pour order 16): 1137.6,1579.8
VBATT_BB on Top Layer "Top Layer-VBATT_BB" (solid, pour order 2): 582.2,2040.8 553.4,2069.6 399.4,2070 397,2072.4 397,2093.2 563.6,2093.2 592.6,2064.2 641.8,2064.2 641.8,2040.8
VBATT_RF on Top Layer "Top Layer-VBATT_RF" (solid, pour order 0): 641.8,2072.8 641.2,2073 592,2073 562,2103 455,2103 453.8,2104.2 453.8,2126.4 641.8,2126.4
GND on Bottom Layer "GND-Bottom" (solid, remove dead copper, pour order 12): 88,2988 97.6,2997.6 1932.4,2997.6 1932.4,311.6 1922.8,302 81.8,302
NetP2_16 on Bottom Layer "Bottom Layer-NETP2_16" (solid, pour order 18): 1160.65,1858 cw(c1160.65,1851.86) 1165,1856.2 cw(c1157.28,1848.48) 1168.2,1848.47 1168.2,1569.16 cw(c1152.5,1569.1) 1163.6,1558 cw(c1155.88,1565.72) 1155.87,1554.8 1142.49,1554.8 cw(c1142.49,1575.29) 1128,1560.8 cw(c1137.66,1570.46) 1124,1570.46 1124,1844 cw(c1143.8,1844) 1129.8,1858
VBATT_RF on Bottom Layer "VBATT_RF" (solid, pour order 6): 434.6,2065.2 434.6,2120.61 cw(c450.99,2120.61) 439.4,2132.2 cw(c446.16,2125.44) 446.16,2135 491.58,2135 cw(c491.58,2119.98) 502.2,2130.6 cw(c500.76,2129.15) 502.8,2129.15 502.8,2077.52 cw(c455.68,2077.52) 489,2044.2 466.09,2021.29 ccw(c536.8,1950.58) 436.8,1950.58 436.8,1900.3 ccw(c500.3,1900.3) 455.4,1855.4 487.77,1823.03 ccw(c514.4,1849.66) 514.4,1812 cw(c514.4,1746.82) 560.49,1792.91 575.8,1777.6 cw(c544.9,1746.7) 588.6,1746.7 588.6,1659.01 cw(c585.19,1659.01) 587.6,1656.6 cw(c585.19,1659.01) 585.19,1655.6 544.6,1655.6 539.93,1660.27 cw(c542.66,1663) 538.8,1663 538.8,1680.8 cw(c558.6,1680.8) 544.6,1694.8 ccw(c551.15,1726.15) 539.87,1756.13 535,1761 ccw(c515.91,1747.7) 520,1770.6 468.8,1770.6 cw(c466.77,1801.44) 446.4,1778.2 416.68,1807.92 cw(c473.35,1864.6) 393.2,1864.6 393.2,1977.55 cw(c490.85,1977.55) 421.8,2046.6 ccw(c390.42,2077.98) 434.8,2077.98 434.8,2091.4
VBATT_BB on Bottom Layer "VBATT_BB" (solid, pour order 4): 428,2130 428,2065.4 426.6,2064 403.2,2064 368.8,2098.4 334.4,2098.4 298.6,2062.6 298.6,1964.4 366.4,1896.6 366,1896.2 366,1557.4 365.8,1557.2 365.6,1557.4 315.2,1557.4 315.2,1881 249.8,1946.4 249.8,2069.2 313.8,2133.2 428,2133.2 428.2,2133
no net on Bottom Layer "Bottom Layer-No Net 3" (solid, pour order 20): 1128.8,1854.2
no net on Bottom Layer "Bottom Layer-No Net" (solid, pour order 22): 439.4,2132.2

## Other copper
Top Layer:
  rectangle net NetC7_1: 1132.4,2799.6 1193.6,2801.4
  rectangle net VCC_3V3: 1200.2,2801.4 1243.6,2825.6
  rectangle net VCC_3V3: 1246.4,2825.2 1247.2,2825.4
  rectangle net NetC7_1: 1110.2,2801.4 1154.6,2824.8
  rectangle net NetC7_1: 1154.6,2801.4 1193.6,2856.6
Bottom Layer:
  region net VGPIO: 643.6,714

## Silkscreen, mask and mechanical layers (free items; w line width, h text height)
Top Overlay:
  lines w6: 809.74,886.89 1410.14,886.89 1410.14,1309.09 809.74,1309.09 809.74,886.89
  lines w7: 247.8,1477.95 247.8,2851.6 1637.94,2851.6 1637.94,1477.95 247.8,1477.95
Bottom Overlay:
  drawing of 29 lines, arcs and shapes, not listed
  text "HM_GSM Board_v0.1" at 1895.6,721.6 h45.99
  text "c" at 1878.8,634.98 h68.74
  text "2019 HashMove - All rights reserved" at 1794.15,579.86 h70.42
Mechanical 1:
  lines w3: 80.8,306.4 80.8,2999.4 1931.4,2999.4 1931.4,306.4 80.8,306.4

## Dimensions
17.6,3000.6 to -47.8,303 on Mechanical 1
83,3056.4 to 1935.2,3118.6 on Mechanical 1